# EAGLE board ControlModule-pan2 (EAGLE 7.2.0), part 7 of 9
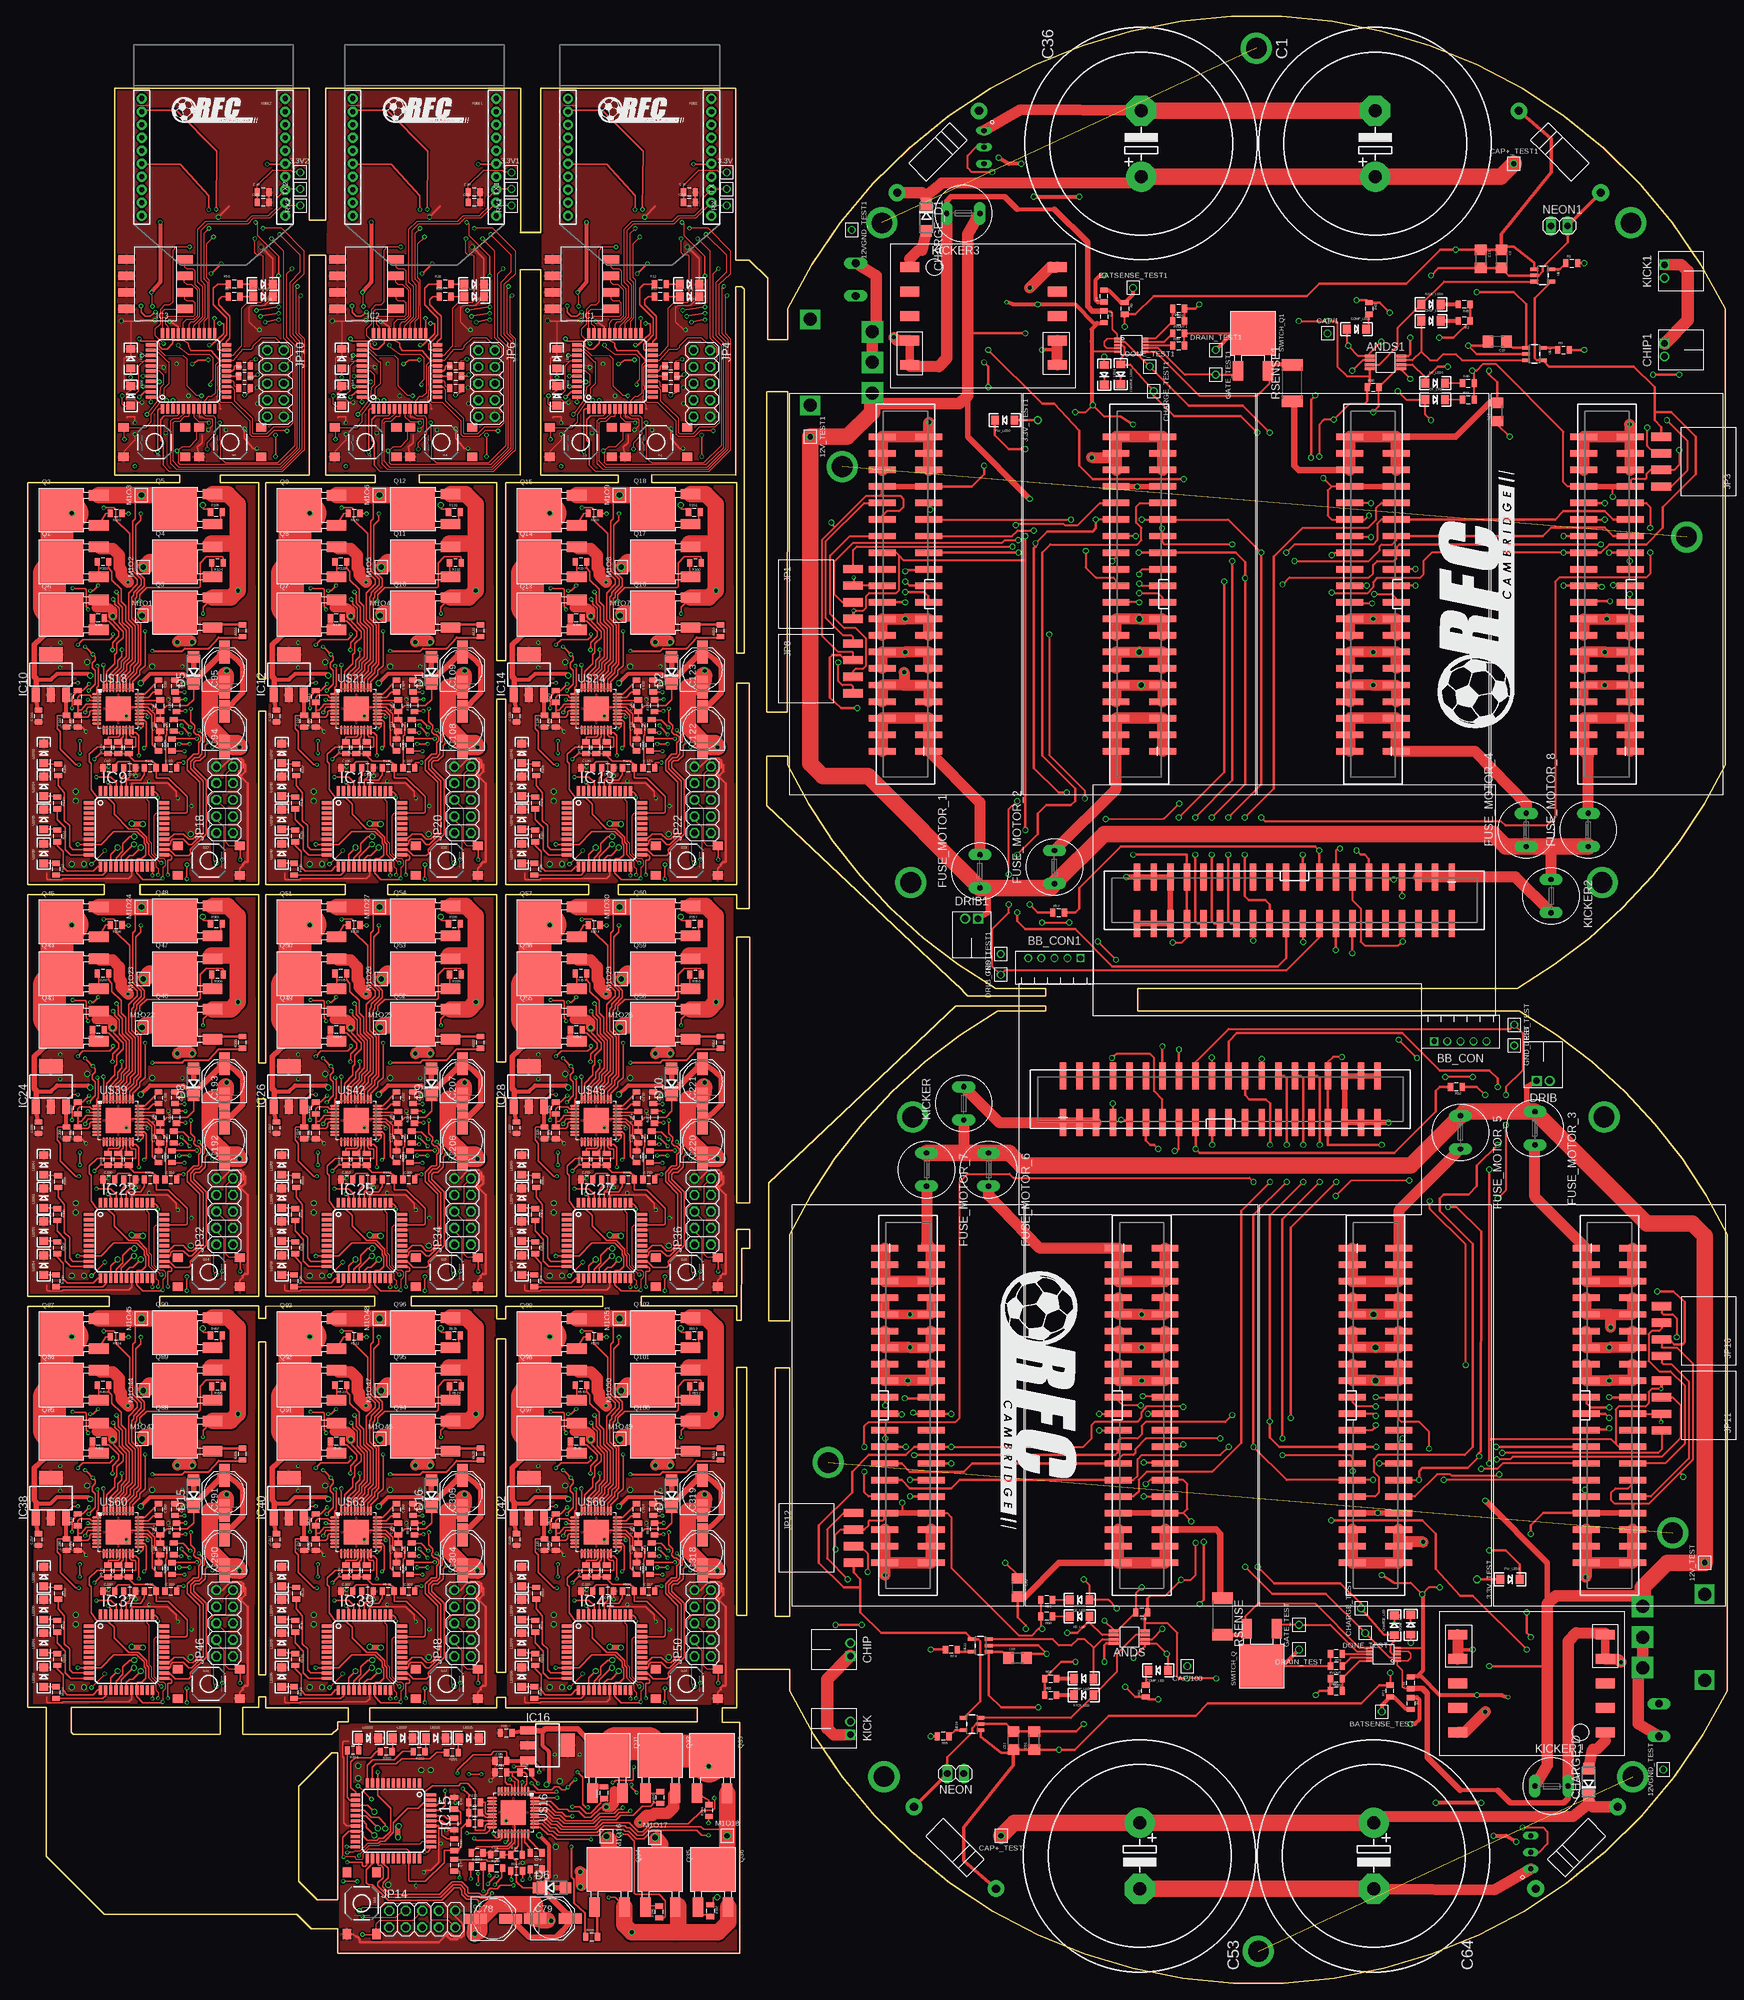
[diagram p0: board, top side]
## Tracks (layer width: path | path; a pad name or v marks a point on that pad's centre or on a via) (continued)
MOSI4  (via drill 0.58, 0.6) (continued)
  Top 0.305: v184.8,87.2 183.73,86.13 171.54,86.13 170.91,85.49 170.91,84.22 170.27,83.59 167.73,83.59 167.41,83.27 167.34,83.27 MOTOR3.25
  Top 0.406: COM_BOARD.30 195.28,139.23 195.67,138.83 v195.67,128.67 | v195.67,122.96 190.54,117.83 v190.54,86.23 190.54,83.79 192.01,82.32 MOTOR2.25 v206.86,82.32 | MOTOR1.25 v225.31,82.32 | MOTOR4.25 v134.71,82.32 | v135.98,81.05 166.86,81.05 167.26,81.45 167.26,82.24 MOTOR3.25
  Bottom 0.406: v195.67,128.67 v195.67,122.96 | v184.8,87.2 188.99,87.2 189.96,86.23 v190.54,86.23 | v225.31,82.32 223.41,84.22 212.5,84.22 211.63,85.1 209.64,85.1 v206.86,82.32 | v134.71,82.32 v135.98,81.05
MOSI6  (via drill 0.6)
  Top 0.254: IC15.15 51.61,26.53 52.66,25.48 53.8,25.48 54.86,24.42 v54.86,23.73
  Bottom 0.254: R189.1 63.49,13.34 57.98,13.34 57.03,14.29 57.03,16.51 56,17.55 56,22.86 55.13,23.73 v54.86,23.73
MOSI8  (via drill 0.6)
  Top 0.254: IC9.15 13.53,172.7 14.58,173.75 14.58,174.89 15.64,175.95 v16.32,175.95
  Bottom 0.254: R97.1 26.72,184.58 26.72,179.07 25.77,178.12 23.54,178.12 22.51,177.09 17.19,177.09 16.32,176.22 v16.32,175.95
MOSI9  (via drill 0.6)
  Top 0.254: IC11.15 50.04,172.7 51.09,173.75 51.09,174.89 52.15,175.95 v52.84,175.95
  Bottom 0.254: R125.1 63.23,184.58 63.23,179.07 62.28,178.12 60.06,178.12 59.02,177.09 53.7,177.09 52.84,176.22 v52.84,175.95
MOSI10  (via drill 0.6)
  Top 0.254: IC13.15 86.87,172.7 87.92,173.75 87.92,174.89 88.98,175.95 v89.67,175.95
  Bottom 0.254: R153.1 100.06,184.58 100.06,179.07 99.11,178.12 96.89,178.12 95.85,177.09 90.53,177.09 89.67,176.22 v89.67,175.95
MOSI15  (via drill 0.6)
  Top 0.254: IC23.15 13.53,109.51 14.58,110.56 14.58,111.71 15.64,112.77 v16.32,112.77
  Bottom 0.254: R293.1 26.72,121.39 26.72,115.89 25.77,114.94 23.54,114.94 22.51,113.9 17.19,113.9 16.32,113.04 v16.32,112.77
MOSI16  (via drill 0.6)
  Top 0.254: IC25.15 50.04,109.51 51.09,110.56 51.09,111.71 52.15,112.77 v52.84,112.77
  Bottom 0.254: R321.1 63.23,121.39 63.23,115.89 62.28,114.94 60.06,114.94 59.02,113.9 53.7,113.9 52.84,113.04 v52.84,112.77
MOSI17  (via drill 0.6)
  Top 0.254: IC27.15 86.87,109.51 87.92,110.56 87.92,111.71 88.98,112.77 v89.67,112.77
  Bottom 0.254: R349.1 100.06,121.39 100.06,115.89 99.11,114.94 96.89,114.94 95.85,113.9 90.53,113.9 89.67,113.04 v89.67,112.77
MOSI22  (via drill 0.6)
  Top 0.254: IC37.15 13.53,46.33 14.58,47.38 14.58,48.53 15.64,49.59 v16.32,49.59
  Bottom 0.254: R489.1 26.72,58.21 26.72,52.71 25.77,51.76 23.54,51.76 22.51,50.72 17.19,50.72 16.32,49.85 v16.32,49.59
MOSI23  (via drill 0.6)
  Top 0.254: IC39.15 50.04,46.33 51.09,47.38 51.09,48.53 52.15,49.59 v52.84,49.59
  Bottom 0.254: R517.1 63.23,58.21 63.23,52.71 62.28,51.76 60.06,51.76 59.02,50.72 53.7,50.72 52.84,49.85 v52.84,49.59
MOSI24  (via drill 0.6)
  Top 0.254: IC41.15 86.87,46.33 87.92,47.38 87.92,48.53 88.98,49.59 v89.67,49.59
  Bottom 0.254: R545.1 100.06,58.21 100.06,52.71 99.11,51.76 96.89,51.76 95.85,50.72 90.53,50.72 89.67,49.85 v89.67,49.59
N$1  (via drill 0.6)
  Top 0.305: R39.2 RVOUT1.2 187.35,253.2 SWITCH_Q1.DRAIN
  Top 0.61: DRAIN_TEST1.P$1 184.81,253.2 187.35,253.2 | U$2.P$7 157.91,250.82 157.69,250.6 157.73,250.68 v155.6,250.66
  Top 1.676: U$2.P$6 U$2.P$7
  Bottom 0.61: v155.6,250.66 DRAIN_TEST1.P$1
N$2
  Top 0.305: CHARGE_U1.P$8 175.54,251.41 R39.1
N$3
  Top 0.305: CHARGE_U1.P$6 173,250.41 179.73,243.67 188.62,243.67 190.53,245.58 190.53,247.21 SWITCH_Q1.SOURCE
  Top 0.61: RSENSE1.2 191.22,248.38 SWITCH_Q1.SOURCE
N$4  (via drill 0.41 pad 0.25)
  Top 0.254: v101.1,255.81 101.42,255.9 103.87,256.31 v103.9,256.28 | v94.04,255.51 94.04,253.35 IC1.23
  Bottom 0.178: R21.1 90.39,233.92 91.1,233.21 100.39,233.21 101.1,233.92 102.77,235.51 105.15,235.51 106.93,237.29 106.93,251.83 104.36,254.4 104.36,254.72 104.59,254.95 104.59,255.66 103.97,256.28 v103.9,256.28
  Bottom 0.254: v101.1,255.81 100.48,255.81 100.3,255.99 94.55,255.96 v94.04,255.51
N$5
  Top 0.305: CHARGE_U1.P$10 172.96,252.41 C4.1 RBG1.2
N$6  (via drill 0.41 pad 0.25)
  Top 0.178: R20.2 99.52,249.01 v100.39,249.24
  Bottom 0.178: v100.39,249.24 99.52,248.93 95.15,248.93
  Bottom 0.254: 95.15,248.93 94.68,249.48 94.68,252.34 94.52,252.5 JP2.28
N$7  (via drill 0.41 pad 0.25)
  Top 0.254: LED9.A v81.18,246.47
  Bottom 0.254: v81.18,246.47 81.18,247.42 R10.1
N$8
  Top 0.305: CHARGE_U1.P$9 174.37,251.91 RVOUT1.1
N$9
  Top 0.305: SWITCH_Q1.GATE 185.09,246.85 GATE_TEST1.P$1 177.51,246.85 173.45,250.91 CHARGE_U1.P$7
N$10
  Top 0.406: R1.1 235.03,263.04 U$7.5
N$11
  Top 0.406: R9.1 234.4,250.97 U$1.5
N$12  (via drill 0.41 pad 0.25)
  Top 0.178: 81.09,242.02 80.23,242.02 79.88,242.37 v79.88,243.61
  Top 0.254: 81.09,242.02 LED1.A
  Bottom 0.178: R11.1 80.28,243.98 80.25,243.98 v79.88,243.61
N$13
  Top 0.254: R12.1 LED2.A
N$14
  Top 0.254: R17.1 LED3.A
N$15  (via drill 0.41 pad 0.25)
  Top 0.254: R18.2 100.42,246.62 v100.67,246.87 | v93.09,249.11 92.82,249.1 92.7,249.08 91.55,249.08 v90.64,248.49
  Bottom 0.254: v100.67,246.87 100.67,247.63 100.08,248.22 94.71,248.22 v93.09,249.11 | v90.64,248.49 90.65,247.76 JP2.32
N$16  (via drill 0.41 pad 0.25)
  Top 0.254: R19.2 99.55,244.17 v98.64,243.71
  Bottom 0.254: v98.64,243.71 95.17,243.7 94.58,244.29 94.58,246.38 93.2,247.76 93.2,248.09 91.43,249.87 90.41,249.87 JP2.30
N$17  (via drill 0.41 pad 0.25)
  Top 0.254: v68.08,255.81 68.4,255.9 70.85,256.31 v70.88,256.28 | v61.02,255.51 61.02,253.35 IC2.23
  Bottom 0.178: R33.1 57.37,233.92 58.08,233.21 67.37,233.21 68.08,233.92 69.75,235.51 72.13,235.51 73.91,237.29 73.91,251.83 71.34,254.4 71.34,254.72 71.57,254.95 71.57,255.66 70.95,256.28 v70.88,256.28
  Bottom 0.254: v68.08,255.81 67.46,255.81 67.28,255.99 61.53,255.96 v61.02,255.51
N$18  (via drill 0.41 pad 0.25)
  Top 0.178: R32.2 66.5,249.01 v67.37,249.24
  Bottom 0.178: v67.37,249.24 66.5,248.93 62.13,248.93
  Bottom 0.254: 62.13,248.93 61.66,249.48 61.66,252.34 61.5,252.5 JP5.28
N$19  (via drill 0.41 pad 0.25)
  Top 0.254: LED7.A v48.16,246.47
  Bottom 0.254: v48.16,246.47 48.16,247.42 R26.1
N$20  (via drill 0.41 pad 0.25)
  Top 0.178: 48.07,242.02 47.21,242.02 46.86,242.37 v46.86,243.61
  Top 0.254: 48.07,242.02 LED4.A
  Bottom 0.178: R27.1 47.26,243.98 47.23,243.98 v46.86,243.61
N$21
  Top 0.254: R28.1 LED5.A
N$22
  Top 0.254: R29.1 LED6.A
N$23  (via drill 0.41 pad 0.25)
  Top 0.254: R30.2 67.4,246.62 v67.65,246.87 | v60.07,249.11 59.8,249.1 59.68,249.08 58.53,249.08 v57.62,248.49
  Bottom 0.254: v67.65,246.87 67.65,247.63 67.06,248.22 61.69,248.22 v60.07,249.11 | v57.62,248.49 57.63,247.76 JP5.32
N$24  (via drill 0.41 pad 0.25)
  Top 0.254: R31.2 66.53,244.17 v65.62,243.71
  Bottom 0.254: v65.62,243.71 62.15,243.7 61.56,244.29 61.56,246.38 60.18,247.76 60.18,248.09 58.41,249.87 57.39,249.87 JP5.30
N$25  (via drill 0.6)
  Top 0.406: v238.79,250.66 R9.2
  Bottom 0.406: KICK_Q3.GATE 242.8,250.66
  Bottom 1.93: 242.8,250.66 v238.79,250.66
N$26  (via drill 0.6)
  Top 0.406: v238.79,263.99 R1.2
  Bottom 0.406: v238.79,263.99 240.09,264.66 KICK_Q2.GATE
N$27
  Top 0.254: R40.1 KE_LED1.C
N$28
  Top 0.254: R41.1 CE_LED1.C
N$29
  Top 0.305: COMP_LED1.C 205.77,254.24 R42.2
N$30
  Top 0.61: KICK_LED1.C R45.2
N$31
  Top 0.61: R2.2 CHIP_LED1.C
N$32  (via drill 0.6)
  Top 0.305: v165.13,246.85 DONE_LED1.C
  Bottom 0.305: R4.1 v165.13,246.85
N$33  (via drill 0.6)
  Top 0.305: CHARGE_LED1.C v167.67,246.85
  Bottom 0.305: v167.67,246.85 R3.1
N$34
  Bottom 0.305: R8.2 155.6,157.41 BB_CON1.4
N$35  (via drill 0.6)
  Top 0.406: v153.06,235.42 150.52,235.42 148.39,237.55 PW_LED2.C
  Bottom 0.406: R16.2 151.53,233.88 v153.06,235.42
N$36
  Top 1.676: MOTOR7.1 222.04,189.06 229.9,180.97
  Top 1.778: MOTOR7.1 MOTOR7.3 MOTOR7.5 MOTOR7.6 MOTOR7.4 MOTOR7.2 | FUSE_MOTOR_4.2 229.9,180.97
N$37
  Top 1.676: FUSE_MOTOR_8.2 239.42,188.35 MOTOR8.2
  Top 1.778: MOTOR8.2 MOTOR8.4 MOTOR8.6 MOTOR8.5 MOTOR8.3 MOTOR8.1
N$38
  Top 1.676: FUSE_MOTOR_2.2 166.96,183.27 166.96,189.7
  Top 1.778: MOTOR6.2 166.96,189.7 MOTOR6.4 MOTOR6.6 MOTOR6.5 MOTOR6.3 MOTOR6.1
N$39
  Top 1.676: MOTOR5.1 146.08,181.2 FUSE_MOTOR_1.2
  Top 1.778: MOTOR5.1 MOTOR5.3 MOTOR5.5 MOTOR5.6 MOTOR5.4 MOTOR5.2
N$40
  Bottom 0.305: BB_CON1.1 161.51,157.76 160.05,159.22 R13.2
N$41
  Top 1.676: KICKER2.2 228.23,169.77 COM_BOARD1.1 COM_BOARD1.3 COM_BOARD1.5
N$42  (via drill 3.17)
  other vias: 135.46,168.92
N$43  (via drill 3.17)
  other vias: 241.53,168.92
N$44  (via drill 3.17)
  other vias: 245.95,270.16
N$45  (via drill 3.17)  (1 unrouted)
  other vias: 188.5,296.96 131.04,270.16
N$46
  Bottom 0.406: R46.1 153.38,277.33 156.24,274.79 156.87,274.79 | 156.87,274.79 157.76,274.79 U$8.LOWER_RIGHT | U$9.RIGHT 146.71,276.06 149.25,273.52 152.43,273.52 154.33,271.61 155.6,271.61 156.87,272.88 156.87,274.79
N$47  (via drill 0.6)
  Top 0.305: v147.98,277.96 144.81,277.96 144.17,278.6 144.17,280.5 145.44,281.77 U$9.CENTER
  Bottom 0.305: R46.2 148.62,277.33 v147.98,277.96
  Bottom 0.406: R48.2 R47.1 150.79,283.41 150.52,283.68 148.62,283.68 147.98,283.04 147.35,283.04 146.71,282.41 U$9.CENTER
N$48  (via drill 0.6)
  Top 0.61: v154.33,274.15 v161.32,274.15
  Bottom 0.406: 162.97,274.15 U$8.LOWER_LEFT
  Bottom 0.61: R49.1 148.99,275.05 149.44,274.6 153.89,274.6 v154.33,274.15 | v161.32,274.15 162.97,274.15
N$49  (via drill 0.6)
  Top 0.61: v152.43,279.23 150.52,279.23 v148.94,280.18
  Bottom 0.406: 148.25,265.63 R50.2 | v148.94,280.18 148.94,279.6 R48.1
  Bottom 0.61: R50.2 153.7,265.9 160.05,272.25 160.05,279.23 v152.43,279.23 | U$10.4 148.25,265.63
N$50
  Bottom 0.406: U$10.1 145.9,254.91 R51.2
N$51
  Bottom 1.676: U$11.- 155.21,287.36 157.78,284.79
  Bottom 1.778: 158.91,286.72 157.78,284.79 U$8.TAB
N$52  (via drill 0.8)
  Top 1.676: MOTOR6.8 MOTOR6.10 v170.84,199.22 MOTOR6.9 MOTOR6.7
  Bottom 0.406: U$12.10 122.04,221.35 121.95,221.45
  Bottom 0.813: U$12.10 U$12.11
  Bottom 1.676: 121.95,221.45 124.25,221.45 127.27,224.46 144.01,224.46 151.16,217.4 151.16,209.7 162.75,198.11 169.73,198.11 v170.84,199.22
N$53  (via drill 0.8)
  Top 1.676: MOTOR6.12 MOTOR6.14 v170.53,204.3 MOTOR6.13 MOTOR6.11
  Bottom 0.305: U$12.8 122.04,219.48 122.11,219.54
  Bottom 0.813: U$12.8 U$12.9
  Bottom 1.676: 122.11,219.54 125.68,219.54 128.38,222.24 143.54,222.24 149.09,216.68 149.09,208.27 161.32,196.05 170.53,196.05 173.38,198.9 173.38,201.44 v170.53,204.3
N$54  (via drill 0.8)
  Top 1.676: MOTOR6.16 MOTOR6.18 v170.53,209.38 MOTOR6.17 MOTOR6.15
  Bottom 0.305: U$12.6 122.04,217.41 122.11,217.48
  Bottom 0.813: U$12.6 U$12.7
  Bottom 1.676: 122.11,217.48 126.55,217.48 129.33,220.26 142.74,220.26 147.03,215.97 147.03,207 160.52,193.51 171.48,193.51 175.92,197.95 175.92,203.98 v170.53,209.38
N$55  (via drill 0.6)
  Top 0.305: v170.53,211.92 MOTOR6.20
  Bottom 0.305: U$12.4 125.85,215 126.39,214.46 127.03,214.46 127.66,215.1 127.66,216.76 129.97,219.07 142.11,219.07 145.52,215.65 145.52,206.45 160.05,191.92 171.95,191.92 177.35,197.32 177.35,205.1 v170.53,211.92
N$56  (via drill 0.6)
  Top 0.305: v170.53,213.35 173.38,213.35 174.02,212.72 174.02,212 MOTOR6.19
  Bottom 0.305: U$12.3 125.9,214 126.23,213.67 127.35,213.67 128.3,214.62 128.3,216.53 130.36,218.59 141.71,218.59 144.97,215.41 144.97,206.21 159.89,191.28 172.11,191.28 177.99,197.16 177.99,205.89 v170.53,213.35
N$57  (via drill 0.6)
  Top 0.305: v170.53,214.78 170.92,214.46 MOTOR6.21
  Bottom 0.305: U$12.2 127.63,213 128.93,214.3 128.93,216.29 130.68,218.03 141.32,218.03 144.33,215.02 144.33,206.05 159.57,190.81 172.43,190.81 178.62,197 178.62,206.68 v170.53,214.78
N$58  (via drill 0.6)
  Top 0.305: v170.53,216.21 170.53,216.53 171,217 MOTOR6.23
  Bottom 0.305: U$12.1 127.74,212 129.57,213.83 129.57,215.89 131.16,217.48 141,217.48 143.7,214.78 143.7,205.73 159.25,190.17 172.59,190.17 179.26,196.84 179.26,207.48 v170.53,216.21
N$59  (via drill 0.6)
  Top 1.676: 134.46,199.22 MOTOR5.9 MOTOR5.7 | v134.46,201.19 134.46,199.22 | 134.46,199.22 MOTOR5.10 MOTOR5.8
  Bottom 0.406: 121.85,200.97 121.95,201.19
  Bottom 0.813: U$27.10 121.85,200.97 U$27.11
  Bottom 1.676: 121.95,201.19 v134.46,201.19
N$60  (via drill 0.6)
  Top 1.676: MOTOR5.11 MOTOR5.13 v134.65,204.3 MOTOR5.14 MOTOR5.12
  Bottom 0.305: 121.95,199.16 121.82,199.08 U$27.9
  Bottom 0.813: U$27.9 U$27.8
  Bottom 1.676: v134.65,204.3 137.82,201.06 137.82,199.16 121.95,199.16
N$61  (via drill 0.6)
  Top 1.676: MOTOR5.16 MOTOR5.18 v134.65,209.38 MOTOR5.17 MOTOR5.15
  Bottom 0.305: U$27.7 121.85,197.19 U$27.6
  Bottom 1.676: 121.85,197.19 138.93,197.19 140.62,198.97 140.62,201.51 134.65,207.48 v134.65,209.38
N$62  (via drill 0.6)
  Top 0.406: v134.65,211.92 MOTOR5.20
  Bottom 0.406: U$27.4 139,194.68 142.27,197.95 142.27,201.76 136.55,207.48 136.55,210.02 v134.65,211.92
N$63  (via drill 0.6)
  Top 0.406: v134.65,213.51 137.51,213.51 138.14,212.87 138.14,212 MOTOR5.19
  Bottom 0.406: U$27.3 139.27,193.68 143.22,197.63 143.22,202.08 137.51,207.79 137.51,210.65 v134.65,213.51
N$64  (via drill 0.6)
  Top 0.406: v134.65,215.1 135.28,214.46 MOTOR5.21
  Bottom 0.406: U$27.2 139.48,192.68 144.17,197.32 144.17,202.4 138.46,208.11 138.46,211.29 v134.65,215.1
N$65  (via drill 0.3)
  Top 0.254: v23.23,190.19 v24.81,190.19
  Bottom 0.254: R98.2 24.07,184.31 23.38,184.31 23.07,184.63 23.07,186.53 22.75,186.85 22.75,188.12 23.07,188.44 24.34,188.44 24.81,188.92 v24.81,190.19 | JP17.27 22.43,190.66 v23.23,190.19
N$66
  Bottom 0.254: JP17.29 20.37,188.04 20.37,187.01 20.69,186.69 22.27,186.69 22.65,186.31 22.65,184.4 23.23,183.84 23.23,182.75 23.47,182.51 24.07,182.51 R99.2
N$67
  Top 0.305: 10.18,207.67 Q6.GATE
  Top 0.813: R100.2 9.91,207.67 10.18,207.67
N$68
  Top 0.254: Q1.GATE 10.88,217.91 R101.2
N$69
  Top 0.254: Q2.GATE 11.99,225.57 R102.2
N$70
  Top 0.305: 27.95,207.97 Q3.GATE
  Top 0.406: R103.2 28.34,208.48 Q3.GATE
N$71
  Top 0.254: R104.2 28.2,215.97 Q4.GATE
N$72
  Top 0.254: Q5.GATE 28.36,223.94 29.58,223.94 29.58,225.77 R105.2
N$73  (via drill 0.38)
  Top 0.254: R100.1 11.98,209.24 12.21,209.01 12.4,209.01 13.99,207.43 13.99,206.73 13.02,205.76 13.02,204.67 v12.98,204.64 | U$18.38 12.61,200.91 13.8,202.09 13.8,202.98 14.43,203.62 v14.43,204.63
  Bottom 0.254: v12.98,204.64 v14.43,204.64 v14.43,204.63
N$74  (via drill 0.38, 0.6)
  Top 0.254: U$18.34 14.61,200.3 15.7,201.39 15.7,202.16 16.46,202.92 16.46,208.25 15.45,209.27 15.45,213.36 16.8,214.71 16.8,215.42 15.61,216.61 15.61,222.44 13.52,224.53 13.52,226.17 13.21,226.48 11.7,226.48 v11.65,226.43 | v26.84,226.84 26.95,226.84 26.95,226.24 28.01,226.24 R105.1
  Bottom 0.254: v26.84,226.84 26.38,227.3 24.53,227.3 22.16,229.67 14.89,229.67 v11.65,226.43
N$75  (via drill 0.38)
  Top 0.254: U$18.37 13.11,200.71 14.3,201.9 14.3,202.79 15.13,203.62 15.13,207.68 14.01,208.83 14.02,211.04 13.35,211.68 13.35,212.13 v13.1,212.38 | R104.1 30,218.72 29.8,218.92 27.38,218.92 26.43,217.97 26.43,214.35 26.24,214.16 18.24,214.16 17.2,213.12 v17.2,212.1
  Bottom 0.254: v13.1,212.38 16.92,212.38 v17.2,212.1
N$76  (via drill 0.3, 0.38)
  Top 0.254: U$18.40 11.61,202.25 v11.58,202.29
  Top 0.305: v19.1,204.47 23.7,204.47 24.08,204.85 27.73,204.85 29.26,206.54 32.38,206.54 R103.1
  Bottom 0.254: v19.1,204.47 18.15,204.47 17.83,204.16 17.83,202.73 17.35,202.25 11.6,202.25 v11.58,202.29
N$77
  Top 0.254: U$18.35 14.11,200.44 15.19,201.52 15.19,202.35 16.02,203.17 16.02,208.06 15,209.08 15,211.36 14.3,212.06 14.3,213.97 12.91,215.36 12.91,216.63 12.4,217.14 12.4,218.11 R101.1
N$78  (via drill 0.38)
  Top 0.254: U$18.32 15.61,200.03 16.72,201.14 16.72,201.71 17.35,202.41 17.35,208.63 16.46,209.52 16.46,212.47 16.75,212.75 16.75,213.31 17.88,214.44 17.88,215.56 16.5,216.93 16.5,217.92 16.59,218 16.59,223.75 17.35,224.51 v17.35,225.52 | v15.45,225.52 14.5,225.52 R102.1
  Bottom 0.254: v17.35,225.52 v15.45,225.52
N$79
  Top 0.254: R109.1 2.57,187.12 LED33.A
N$80  (via drill 0.3)
  Top 0.254: v24.83,191.66 23.59,192.9 v23.59,193.04
  Bottom 0.254: R97.2 24.07,186.38 23.86,186.38 23.23,187.01 23.23,187.8 23.38,187.96 24.5,187.96 25.45,188.92 25.45,189.71 25.61,189.87 25.61,190.34 24.83,191.12 v24.83,191.66 | v23.59,193.04 20.44,193.04 JP17.25
N$81
  Top 0.254: IC9.40 14.33,184.95 14.81,185.42 14.81,186.43 C91.2
N$82
  Top 0.254: U$18.30 17.91,197.83 C90.1
N$83
  Top 0.254: U$18.28 19.92,196.83 C98.2
N$84
  Top 0.254: U$18.25 18.33,195.33 19.04,194.63 19.04,192.54 19.05,192.53 19.05,192.52 19.1,192.47 19.1,190.08 C89.2
N$85  (via drill 0.3)
  Top 0.254: U$18.20 16.11,191.94 16.24,191.93 16.56,191.93 17.03,191.46 v17.03,188.44 | v24.02,189.07 22.7,189.07 R107.1
  Bottom 0.254: v17.03,188.44 18.46,189.07 v24.02,189.07
N$86
  Top 0.254: U$18.18 15.11,190.89 R118.2
N$87
  Top 0.254: U$18.17 14.61,191.33 13.87,190.59 R113.2
N$88
  Top 0.254: 14.11,191.71 U$18.16 14.11,191.51 13.87,191.27 12.3,191.27 | 12.3,191.27 R119.2 | 12.3,191.27
N$89  (via drill 0.3)
  Top 0.254: U$18.22 17.2,193.83 17.2,193.84 17.83,193.84 18.15,193.52 18.15,189.87 v17.83,189.55 | v24.18,195.27 22.7,195.27 R120.1
  Bottom 0.254: v17.83,189.55 23.54,189.55 24.02,189.87 24.02,191.43 24.18,191.6 24.18,192.69 24.27,192.78 24.27,193.46 24.5,193.68 24.5,194.95 v24.18,195.27
N$90
  Bottom 0.254: R121.2 23.38,179.71 22.75,180.34 22.75,181.03 22.27,181.5 22.27,182.06 22.75,182.54 22.75,183.56 22,184.31 20.68,184.31 | 20.69,184.31 20.68,184.31 | JP17.31 20.37,185.5 20.37,184.63 20.68,184.31
N$91
  Top 0.254: 7.67,195.42 8.21,195.42 8.99,196.33 U$18.4 | 7.67,196.22 7.61,196.33 R123.1 7.67,197.33 8,197.66 9.48,197.66 9.81,197.33 9.95,197.33 U$18.2 | 10.43,195.33 U$18.6 9.7,195.33 9.5,195.13 9.5,194.67 9.17,194.35 7.9,194.35 R122.2
  Top 0.305: R123.1 7.67,196.22 7.67,195.42 R122.2
N$92
  Top 0.254: U$18.29 18.47,197.33 19.26,198.12 20,198.12 C90.2
N$93  (via drill 0.3)
  Top 0.254: v59.74,190.19 v61.33,190.19
  Bottom 0.254: R126.2 60.58,184.31 59.9,184.31 59.58,184.63 59.58,186.53 59.26,186.85 59.26,188.12 59.58,188.44 60.85,188.44 61.33,188.92 v61.33,190.19 | JP19.27 58.94,190.66 v59.74,190.19
N$94
  Bottom 0.254: JP19.29 56.88,188.04 56.88,187.01 57.2,186.69 58.79,186.69 59.17,186.31 59.17,184.4 59.74,183.84 59.74,182.75 59.98,182.51 60.58,182.51 R127.2
N$95
  Top 0.305: 46.69,207.67 Q7.GATE
  Top 0.813: R128.2 46.42,207.67 46.69,207.67
N$96
  Top 0.254: Q8.GATE 47.39,217.91 R129.2
N$97
  Top 0.254: Q9.GATE 48.5,225.57 R130.2
N$98  (via drill 0.3)
  Top 0.254: 22.86,192.41 R106.1 22.38,191.91 v23.53,191.91 | U$18.21 17.54,193.33 17.73,193.33 17.73,192.95 17.35,192.57 v17.03,192.57
  Bottom 0.254: v17.03,192.57 17.19,192.57 17.99,191.93 23.54,191.93 v23.54,191.91 v23.53,191.91
N$99
  Top 0.305: 64.46,207.97 Q10.GATE
  Top 0.406: R131.2 64.85,208.48 Q10.GATE
N$100
  Top 0.254: R132.2 64.71,215.97 Q11.GATE
N$101
  Top 0.254: Q12.GATE 64.87,223.94 66.09,223.94 66.09,225.77 R133.2
N$102  (via drill 0.38)
  Top 0.254: R128.1 48.49,209.24 48.72,209.01 48.91,209.01 50.5,207.43 50.5,206.73 49.53,205.76 49.53,204.67 v49.49,204.64 | U$21.38 49.12,200.91 50.31,202.09 50.31,202.98 50.94,203.62 v50.94,204.63
  Bottom 0.254: v49.49,204.64 v50.94,204.64 v50.94,204.63
N$103  (via drill 0.38, 0.6)
  Top 0.254: U$21.34 51.12,200.3 52.21,201.39 52.21,202.16 52.97,202.92 52.97,208.25 51.96,209.27 51.96,213.36 53.31,214.71 53.31,215.42 52.13,216.61 52.13,222.44 50.04,224.53 50.04,226.17 49.72,226.48 48.21,226.48 v48.16,226.43 | v63.36,226.84 63.46,226.84 63.46,226.24 64.53,226.24 R133.1
  Bottom 0.254: v63.36,226.84 62.89,227.3 61.04,227.3 58.67,229.67 51.4,229.67 v48.16,226.43
N$104  (via drill 0.38)
  Top 0.254: U$21.37 49.62,200.71 50.82,201.9 50.82,202.79 51.64,203.62 51.64,207.68 50.53,208.83 50.53,211.04 49.86,211.68 49.86,212.13 v49.61,212.38 | R132.1 66.51,218.72 66.31,218.92 63.9,218.92 62.94,217.97 62.94,214.35 62.75,214.16 54.75,214.16 53.71,213.12 v53.71,212.1
  Bottom 0.254: v49.61,212.38 53.43,212.38 v53.71,212.1
N$105  (via drill 0.3, 0.38)
  Top 0.254: U$21.40 48.12,202.25 v48.09,202.29
  Top 0.305: v55.61,204.47 60.21,204.47 60.59,204.85 64.25,204.85 65.77,206.54 68.89,206.54 R131.1
  Bottom 0.254: v55.61,204.47 54.66,204.47 54.34,204.16 54.34,202.73 53.86,202.25 48.12,202.25 v48.09,202.29
N$106
  Top 0.254: U$21.35 50.62,200.44 51.7,201.52 51.7,202.35 52.53,203.17 52.53,208.06 51.51,209.08 51.51,211.36 50.82,212.06 50.82,213.97 49.42,215.36 49.42,216.63 48.91,217.14 48.91,218.11 R129.1
N$107  (via drill 0.38)
  Top 0.254: U$21.32 52.12,200.03 53.23,201.14 53.23,201.71 53.86,202.41 53.86,208.63 52.97,209.52 52.97,212.47 53.26,212.75 53.26,213.31 54.39,214.44 54.39,215.56 53.02,216.93 53.02,217.92 53.1,218 53.1,223.75 53.86,224.51 v53.86,225.52 | v51.96,225.52 51.02,225.52 R130.1
  Bottom 0.254: v53.86,225.52 v51.96,225.52
N$108  (via drill 0.3)
  Top 0.254: 59.37,192.41 R134.1 58.89,191.91 v60.05,191.91 | U$21.21 54.05,193.33 54.24,193.33 54.24,192.95 53.86,192.57 v53.55,192.57
  Bottom 0.254: v53.55,192.57 53.71,192.57 54.5,191.93 60.06,191.93 60.06,191.91 v60.05,191.91
N$109
  Top 0.254: R137.1 39.08,187.12 LED37.A
N$110
  Top 0.254: LED38.A 40.87,182.18 R138.1
N$111
  Top 0.254: LED39.A 40.87,177.1 R139.1
N$112
  Top 0.254: R140.1 38.96,171.88 LED40.A
N$113  (via drill 0.3)
  Top 0.254: v61.34,191.66 60.1,192.9 v60.1,193.04
  Bottom 0.254: R125.2 60.58,186.38 60.37,186.38 59.74,187.01 59.74,187.8 59.9,187.96 61.01,187.96 61.96,188.92 61.96,189.71 62.12,189.87 62.12,190.34 61.34,191.12 v61.34,191.66 | v60.1,193.04 56.96,193.04 JP19.25
N$114
  Top 0.254: LED34.A 4.35,182.18 R110.1
N$115
  Top 0.254: IC11.40 50.84,184.95 51.32,185.42 51.32,186.43 C105.2
N$116
  Top 0.254: U$21.30 54.42,197.83 C104.1
N$117
  Top 0.254: LED35.A 4.35,177.1 R111.1
N$118
  Top 0.254: U$21.28 56.44,196.83 C112.2
N$119
  Top 0.254: R112.1 2.45,171.88 LED36.A
N$120
  Top 0.254: U$21.25 54.84,195.33 55.55,194.63 55.55,192.54 55.57,192.53 55.57,192.52 55.61,192.47 55.61,190.08 C103.2
N$121  (via drill 0.3)
  Top 0.254: U$21.20 52.62,191.94 52.75,191.93 53.07,191.93 53.55,191.46 v53.55,188.44 | v60.53,189.07 59.21,189.07 R135.1
  Bottom 0.254: v53.55,188.44 54.98,189.07 v60.53,189.07
N$122
  Top 0.254: U$21.18 51.62,190.89 R146.2
N$123
  Top 0.254: U$21.17 51.12,191.33 50.38,190.59 R141.2
N$124
  Top 0.254: 50.62,191.71 U$21.16 50.62,191.51 50.39,191.27 48.81,191.27 | 48.81,191.27 R147.2 | 48.81,191.27
N$125  (via drill 0.3)
  Top 0.254: U$21.22 53.71,193.83 53.71,193.84 54.34,193.84 54.66,193.52 54.66,189.87 v54.34,189.55 | v60.69,195.27 59.21,195.27 R148.1
  Bottom 0.254: v54.34,189.55 60.06,189.55 60.53,189.87 60.53,191.43 60.69,191.6 60.69,192.69 60.79,192.78 60.79,193.46 61.01,193.68 61.01,194.95 v60.69,195.27
N$126
  Bottom 0.254: R149.2 59.9,179.71 59.26,180.34 59.26,181.03 58.79,181.5 58.79,182.06 59.26,182.54 59.26,183.56 58.51,184.31 57.2,184.31 | 57.2,184.31 | JP19.31 56.88,185.5 56.88,184.63 57.2,184.31
N$127
  Top 0.254: 44.18,195.42 44.72,195.42 45.5,196.33 U$21.4 | 44.18,196.22 44.12,196.33 R151.1 44.18,197.33 44.51,197.66 46,197.66 46.33,197.33 46.47,197.33 U$21.2 | 46.95,195.33 U$21.6 46.22,195.33 46.01,195.13 46.01,194.67 45.69,194.35 44.41,194.35 R150.2
  Top 0.305: R151.1 44.18,196.22 44.18,195.42 R150.2
N$128
  Top 0.254: U$21.29 54.98,197.33 55.77,198.12 56.51,198.12 C104.2
N$129  (via drill 0.3)
  Top 0.254: v96.57,190.19 v98.16,190.19
  Bottom 0.254: R154.2 97.41,184.31 96.73,184.31 96.41,184.63 96.41,186.53 96.09,186.85 96.09,188.12 96.41,188.44 97.68,188.44 98.16,188.92 v98.16,190.19 | JP21.27 95.77,190.66 v96.57,190.19
N$130
  Bottom 0.254: JP21.29 93.71,188.04 93.71,187.01 94.03,186.69 95.62,186.69 96,186.31 96,184.4 96.57,183.84 96.57,182.75 96.81,182.51 97.41,182.51 R155.2
N$131
  Top 0.305: 83.52,207.67 Q13.GATE
  Top 0.813: R156.2 83.25,207.67 83.52,207.67
N$132
  Top 0.254: Q14.GATE 84.22,217.91 R157.2
N$133
  Top 0.254: Q15.GATE 85.33,225.57 R158.2
N$134
  Top 0.305: 101.29,207.97 Q16.GATE
  Top 0.406: R159.2 101.68,208.48 Q16.GATE
N$135
  Top 0.254: R160.2 101.54,215.97 Q17.GATE
N$136
  Top 0.254: Q18.GATE 101.7,223.94 102.92,223.94 102.92,225.77 R161.2
N$137  (via drill 0.38)
  Top 0.254: R156.1 85.32,209.24 85.55,209.01 85.74,209.01 87.33,207.43 87.33,206.73 86.36,205.76 86.36,204.67 v86.32,204.64 | U$24.38 85.95,200.91 87.14,202.09 87.14,202.98 87.77,203.62 v87.77,204.63
  Bottom 0.254: v86.32,204.64 v87.77,204.64 v87.77,204.63
N$138  (via drill 0.38, 0.6)
  Top 0.254: U$24.34 87.95,200.3 89.04,201.39 89.04,202.16 89.8,202.92 89.8,208.25 88.79,209.27 88.79,213.36 90.14,214.71 90.14,215.42 88.96,216.61 88.96,222.44 86.87,224.53 86.87,226.17 86.55,226.48 85.04,226.48 v84.99,226.43 | v100.19,226.84 100.29,226.84 100.29,226.24 101.36,226.24 R161.1
  Bottom 0.254: v100.19,226.84 99.72,227.3 97.87,227.3 95.5,229.67 88.23,229.67 v84.99,226.43
N$139  (via drill 0.38)
  Top 0.254: U$24.37 86.45,200.71 87.65,201.9 87.65,202.79 88.47,203.62 88.47,207.68 87.36,208.83 87.36,211.04 86.69,211.68 86.69,212.13 v86.44,212.38 | R160.1 103.34,218.72 103.14,218.92 100.73,218.92 99.77,217.97 99.77,214.35 99.58,214.16 91.58,214.16 90.54,213.12 v90.54,212.1